# Altium PCB PCB1.PcbDoc (continued)
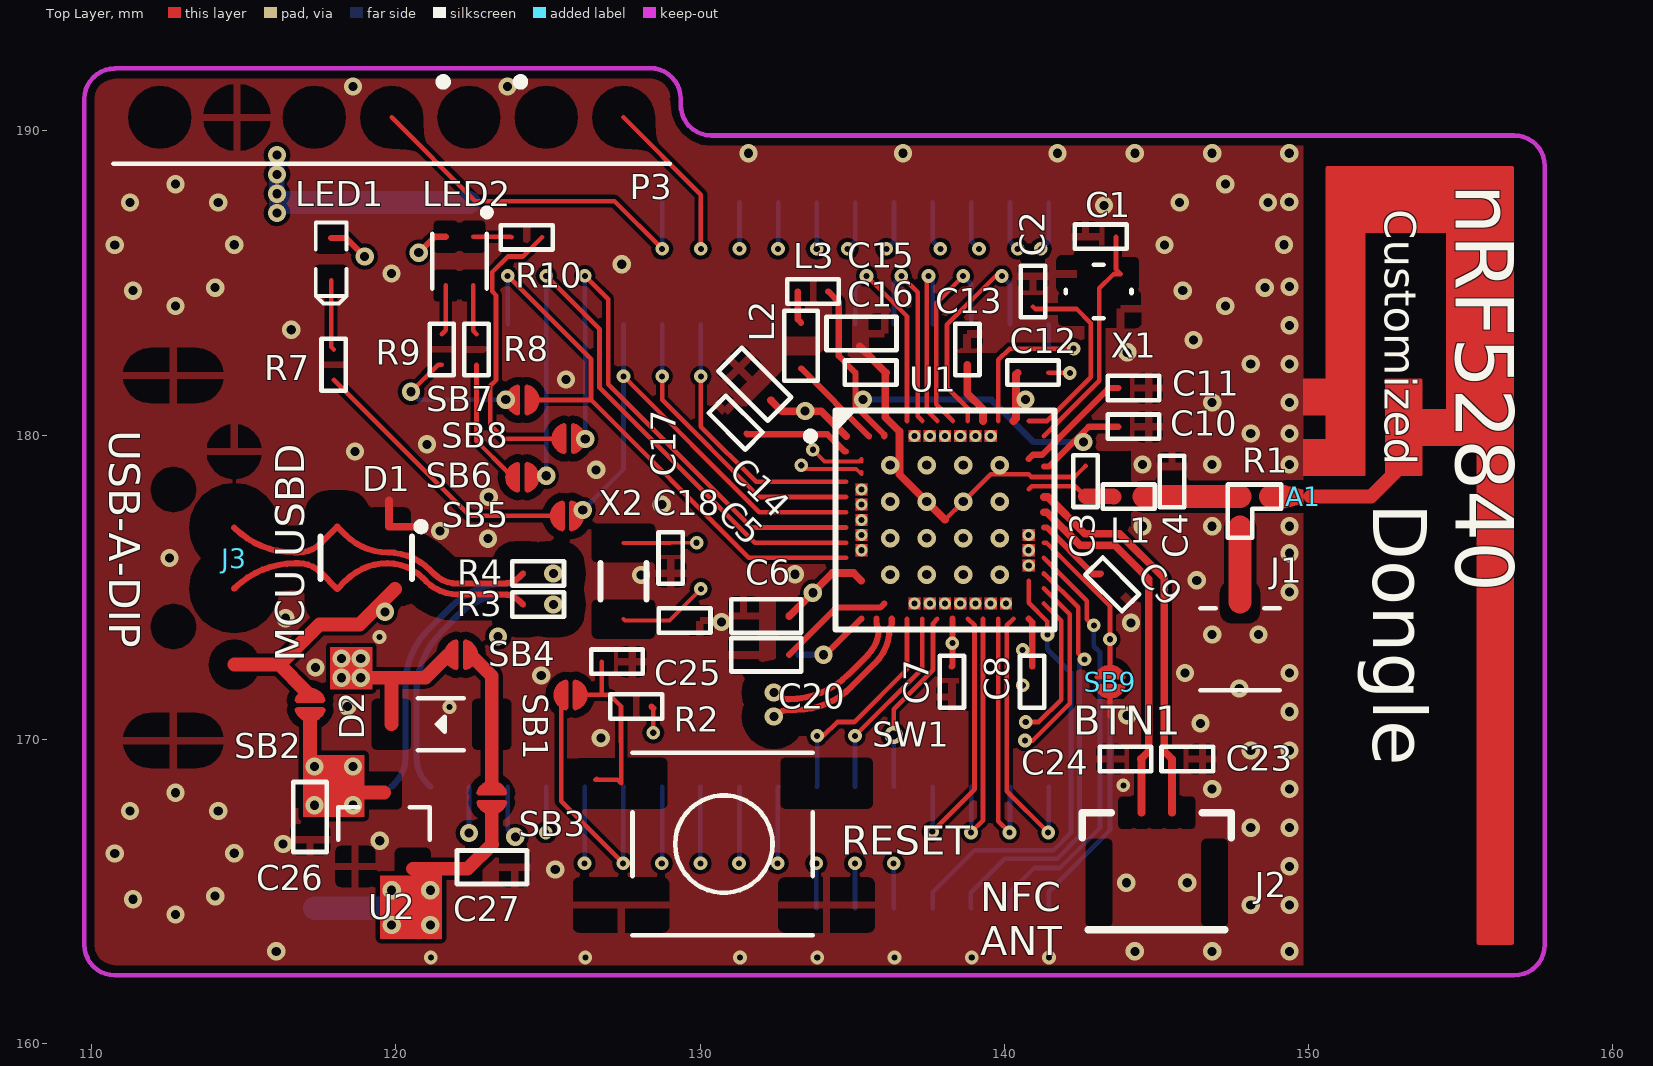
[diagram p0: Top Layer view]
## Part data
A1: "Texas Instrument"
C1 C2 C3 C4 C5 C6 C7 C8 C9 C10 C11 C12 C13 C14 C15 C16 C17 C18 C20 C21 C23 C24 C25 C26 C27: library part Capacitor, "common library", Tolerance=±5%
D1: "Ultra low capacitance double rail-to-rail ESD protection diode", 2nd source part number=152-4157, Manufacturer=NXP, Supplier part number=568-4140-1-ND, 2nd source Supplier=Farnell, Artikkelnr Noca=10069015, Artikkelnr Simpro=N.A., Datasheet=http://www.farnell.com/datasheets/109718.pdf, Footprint Doc=SOT-143B, LatestRevisionDate=2012-06-11, Manufacturer Part Number=PRTR5V0U2X, Part Number=PRTR5V0U2X, Published=2012-06-11, Publisher="Nordic Semiconductor", Supplier=Digi-Key
D2: library part "Diode Schottky", "common library"
J1: library part "IPEX connector", "Hirose", MF=Hirose, MP=U.FL-R-SMT_01_, Note=Ipex
J2: "0.5mm FPC, 5P,Right Angle SMT,Double Contact,H=1.2mm,White, Tin plated", 2nd source part number=WM9836CT-ND, Manufacturer=W-CON, Manufacturer Part Number=5141-05RZDNWR01, Part Number=FPC_05P-0.5mm-RA-SMD, Part number IPS=00000007792, 2nd source Supplier=Digi-Key, Artikkelnr Noca=55010020, Artikkelnr Simpro=N.A., Datasheet=\\hizz\pro\app9717\Datasheet\connectores\W-CON\5141-XXRZDNXX0X.pdf, Footprint Doc=FPC_05P-0.5mm-RA-SMD, LatestRevisionDate=2016-04-21, Pin Count=7, Published=2015-06-22, Publisher="Nordic Semiconductor", Supplier=Cabcon, Supplier part number=5141-05RZDNWR01
L1 L2 L3: library part Inductor, "common library"
LED1: library part LED, "common library", Color=Green
LED2: library part LED_RGB, Supplier=thegioiic, Type=RGB
P1 P2: library part "Header 20x2"
P3: library part "Header 7"
R1: library part Res_Selector, Name="Res Selector"
R2 R3 R4 R5 R6 R7 R8 R9 R10: library part Resistor, "common library", Tolerance=±5%
SW1 X1: "4-pin"
  SW1: Pin Count=4
U1: "Multi-protocol Bluetooth Low Energy, IEEE 802.15.4, ANT and 2.4GHz proprietary system-on-chip", Manufacturer="Nordic Semiconductor", Manufacturer Part Number=nRF52840-QIAAC0, Part number IPS=N.A., Artikkelnr Noca=N.A., Artikkelnr Simpro=N.A., ComponentLink1Description=Datasheet, ComponentLink2Description="Supplier link", Footprint Doc=AQFN-73, LatestRevisionDate=2017-12-06, Part Number=nRF52840-QIAAC0, Pin Count=73, Published=2017-08-21, Publisher="Nordic Semiconductor", Supplier="Nordic Semiconductor", Supplier part number=nRF52840-QIAAC0
U2: library part XC6206, "Low ESR Cap.Compatible Positive Voltage Regulators", Type=XC6206P332MR
X2: "2-pin"
J3: Supplier=https://banlinhkien.vn/goods-938-usb-a-duc-smd-usb-a-s01.html, Using reference=https://hshop.vn/products/mach-chuyen-usb-uart-cp2102
SB1 SB2 SB3 SB4 SB5 SB6 SB7 SB8 SB9: Artikkelnr Noca=N.A., Artikkelnr Simpro=N.A., Footprint Doc=Solderbridge, LatestRevisionDate=2009-12-14, Part Number=Solderbridge, Pin Count=2, Published=2009-12-14, Publisher="Nordic Semiconductor"

## Free pads (board coordinates)
  round 3 on Top Paste: 0(112.691,166.26) 0(112.691,186.26) 0(147.191,186.26) 0(151.691,166.26)
  round 3 on Mech16: 1(112.691,166.26) 1(112.691,186.26) 1(147.191,186.26) 1(151.691,166.26) 2(112.691,166.26) 2(112.691,186.26) 2(147.191,186.26) 2(151.691,166.26)

## Via types
v1: diameter 0.6, hole 0.3, Top Layer to Bottom Layer, tented both sides, 138 vias
v2: diameter 0.45, hole 0.2, Top Layer to Bottom Layer, tented both sides, 64 vias
v3: diameter 0.4, hole 0.2, Top Layer to Bottom Layer, tented bottom, 21 vias
v4: diameter 0.61, hole 0.305, Top Layer to Bottom Layer, tented bottom, 16 vias

## Nets (pads, with @x,y where several pads share a name; then routed paths per layer and width w, separated by ;. In a path a pad name is that pad's centre, name@x,y a point inside that pad or via, vN(x,y) a via of type N, cw(c..) or ccw(c..) an arc to the next point about the centre after c; other vN are vias at no path point)
pads on no net: C21.1 C21.2 P1.1 P1.2 P1.3 P1.4 P1.5 P1.6 P1.7 P1.8 P1.9 P1.10 P1.11 P1.12 P1.13 P1.14 P1.15 P1.16 P1.17 P1.18 P1.19 P1.20 P1.21 P1.22 P1.23 P1.24 P1.25 P1.26 P1.27 P1.28 P1.29 P1.30 P1.31 P1.32 P1.33 P1.34 P1.35 P1.36 P1.37 P1.38 P1.39 P1.40 P2.1 P2.2 P2.3 P2.4 P2.5 P2.6 P2.7 P2.8 P2.9 P2.10 P2.11 P2.12 P2.13 P2.14 P2.15 P2.16 P2.17 P2.18 P2.19 P2.20 P2.21 P2.22 P2.23 P2.24 P2.25 P2.26 P2.27 P2.28 P2.29 P2.30 P2.31 P2.32 P2.33 P2.34 P2.35 P2.36 P2.37 P2.38 P2.39 P2.40 R5.1 R5.2 R6.1 R6.2
copper on no net: | length 964.9
  Top Layer w0.127: 127.486,173.953 127.531,173.908 128.993,173.908 130.026,174.941 v2(130.026,174.949) ; 127.486,176.453 129.023,176.453 129.035,176.465 v2(129.891,176.465) v2@129.899,176.473 ; v2(133.328,179.013) 133.455,178.886 135.134,178.886 135.302,178.718 135.302,178.796 ; v2(133.709,179.521) 134.09,179.14 135.225,179.14 135.302,179.218 135.302,179.14
  Top Layer w0.152: 117.877,185.088 117.877,182.899 117.961,182.815 ; 117.961,181.815 122.43,177.347 125.138,177.347 125.313,177.347 ; 119.866,190.443 122.617,187.692 127.189,187.692 v2(128.756,186.125) ; v1(120.501,181.426) 121.393,182.318 121.512,182.318 ; 121.512,183.318 121.645,183.451 121.645,184.923 ; 122.545,184.923 122.545,183.428 122.655,183.318 ; 122.545,186.523 123.784,186.523 123.806,186.501 ; 122.655,182.318 122.655,179.809 123.698,178.766 123.847,178.617 ; v2(123.676,185.236) 126.419,182.493 126.419,181.157 ; 124.472,178.617 124.521,178.665 124.644,178.665 v1(124.946,178.665) ; 124.472,181.157 124.646,181.157 126.419,181.157 ; 124.806,186.501 124.176,185.871 123.676,185.871 123.168,185.363 123.168,184.728 123.295,184.601 123.295,181.807 123.11,181.623 123.11,180.341 123.565,179.887 125.197,179.887 125.371,179.887 ; v2(124.946,185.236) 126.699,183.484 126.699,181.565 131.795,176.468 134.802,176.468 ; 125.433,171.464 125.433,171.111 125.433,167.967 v2(127.473,165.927) ; 126.058,171.464 126.762,171.464 ; v2(126.216,185.236) 126.978,184.474 126.978,181.68 131.69,176.968 134.802,176.968 ; 126.602,168.713 126.559,168.67 127.3,168.67 127.408,168.562 127.408,169.915 127.405,169.918 127.405,171.083 127.024,171.464 126.762,171.464 ; 126.77,172.556 126.77,171.472 126.762,171.464 ; v2(127.486,181.934) 131.952,177.468 134.802,177.468 ; 127.486,190.443 130.026,187.903 v2(130.026,186.125) ; v2(128.464,170.22) 128.464,171.024 ; v2(128.756,181.934) 128.756,181.158 131.946,177.968 134.802,177.968 ; v2(130.026,181.934) 130.026,180.283 131.841,178.468 134.802,178.468 ; v2(133.848,170.118) 134.052,170.118 134.507,170.573 135.065,170.573 136.802,172.31 136.802,173.968 ; 134.802,175.968 131.608,175.968 126.419,181.157 ; v2(135.093,170.118) 137.302,172.327 137.302,173.968 ; v2(135.474,185.231) 136.802,183.903 136.802,180.468 ; v1(136.363,170.143) 136.363,170.993 137.658,172.288 137.658,173.824 137.802,173.968 ; v2(136.617,185.231) 137.15,184.698 137.15,180.62 137.302,180.468 ; v2(137.506,185.231) 137.455,185.18 137.455,180.815 137.802,180.468 ; v2(137.633,166.968) 139.023,168.358 139.023,173.747 138.802,173.968 ; 138.052,177.218 v4(138.652,177.818) 139.552,178.718 140.802,178.718 140.893,178.627 142.307,178.627 142.668,178.988 ; 138.302,180.468 137.76,181.01 137.76,184.342 v2(138.649,185.231) ; 138.802,180.468 138.802,180.885 138.116,181.572 138.116,183.631 139.716,185.231 v2(139.919,185.231) ; v2(138.903,166.943) 139.302,167.342 139.302,173.968 ; 139.802,173.968 139.802,167.314 v2(140.173,166.943) ; 139.802,180.468 139.802,182.473 140.173,182.843 v2(142.281,182.843) ; 140.302,173.968 140.082,173.747 140.082,168.304 v2(141.443,166.943) ; v2(140.681,169.966) 140.935,169.966 142.151,171.181 142.151,174.12 141.302,174.968 ; v2(140.706,170.575) 141.138,170.575 141.871,171.308 141.871,173.899 141.302,174.468 ; 140.802,175.218 140.802,174.492 141.418,173.877 v2(141.418,173.445) ; 140.802,178.218 140.907,178.322 142.334,178.322 142.668,177.988 ; 140.802,180.468 141.407,180.468 142.84,181.901 142.84,183.685 142.377,184.148 141.018,184.148 140.943,184.223 ; 141.302,175.426 141.302,175.468 142.43,174.34 142.43,172.839 v2@142.561,172.709 ; 141.302,175.968 142.709,174.561 142.709,173.957 v2@142.865,173.801 ; 141.302,176.468 141.388,176.468 143.475,174.381 v2(143.475,173.293) 143.475,172.383 143.475,172.208 ; 141.302,179.968 143.119,181.785 143.119,184.825 143.593,185.298 143.827,185.298 143.67,185.455 143.67,186.526 ; 141.443,182.056 142.143,182.056 v2(142.155,182.044) ; 143.475,170.765 143.475,171.409 143.475,171.584
  Top Layer w0.203: 114.691,174.96 cw(c116.698,172.953) 116.698,175.791 116.805,175.791 cw(c116.805,174.758) 117.535,175.489 118.08,174.944 118.362,175.226 cw(c119.726,173.863) 119.726,175.791 cw(c119.726,174.157) 120.881,175.313 120.996,175.198 ccw(c122.038,176.24) 122.038,174.766 123.526,174.766 cw(c123.526,173.986) 124.077,174.538 124.179,174.436 ; 114.691,176.96 ccw(c116.654,178.923) 116.654,176.147 116.805,176.147 ccw(c116.805,177.18) 117.535,176.449 118.08,176.994 118.362,176.712 ccw(c119.726,178.075) 119.726,176.147 cw(c119.726,174.157) 121.133,175.564 121.247,175.449 ccw(c122.038,176.24) 122.038,175.122 123.526,175.122 ccw(c123.526,175.902) 124.077,175.35 124.179,175.452 ; 117.877,186.485 118.363,186.485 v1(118.977,185.871) ; v1(120.755,185.998) 121.28,186.523 121.645,186.523 ; 128.405,171.083 128.464,171.024 ; 131.523,180.057 131.55,180.029 134.187,180.029 134.749,179.468 134.802,179.468 ; v1(132.426,170.753) 132.453,170.78 cw(c132.909,170.325) 132.909,170.969 133.159,170.969 ccw(c133.159,173.509) 134.956,171.713 135.757,172.514 ccw(c134.614,173.657) 136.23,173.657 ccw(c136.056,173.831) 136.302,173.831 136.302,173.968 ; v1(132.426,171.54) 132.453,171.513 ccw(c132.909,171.968) 132.909,171.325 ccw(c132.909,174.115) 134.881,172.142 135.505,172.766 ccw(c134.614,173.657) 135.875,173.657 cw(c136.049,173.831) 135.802,173.831 135.802,173.968 ; 132.93,172.785 134.479,174.334 135.918,174.334 136.052,174.468 ; 133.212,184.723 133.212,183.806 133.323,183.695 ; 133.323,182.195 133.325,182.195 135.552,179.968 ; v1(134.06,172.785) 134.119,172.785 135.302,173.968 ; 134.212,184.723 134.559,184.376 134.559,183.345 134.559,182.606 135.109,182.056 135.109,180.965 136.052,180.022 136.052,179.968 ; 138.276,172.396 138.302,172.422 138.302,173.968 ; v2(140.605,172.937) 140.918,172.937 ; 140.802,173.968 140.918,173.853 140.918,172.937 ; 140.802,179.218 140.944,179.36 141.247,179.36 143.436,181.548 143.745,181.548 ; 140.918,172.396 140.918,172.937 ; 141.302,176.968 141.396,176.968 142.914,175.45 ; 141.302,178.968 141.461,178.968 142.771,180.278 143.745,180.278 ; 142.914,175.45 142.939,175.425 143.147,175.425 143.172,175.45 142.914,175.45
  Top Layer w0.254: 119.78,177.855 119.78,176.994 120.697,176.994 ; 132.329,181.145 132.688,180.786 133.984,180.786 134.802,179.968 ; 132.93,174.055 134.343,175.468 134.802,175.468 135.052,175.468 135.302,175.218 ; 135.246,182.919 136.109,182.056 136.092,182.039 136.092,180.589 136.552,180.128 136.552,179.968 136.552,178.718 138.052,177.218 ; 138.784,182.318 138.784,181.37 139.302,180.852 139.302,180.468 ; 140.302,180.468 140.385,180.551 140.385,181.998 140.443,182.056 ; 141.302,177.468 141.399,177.468 142.487,176.38 143.63,176.38 144.745,175.265 144.745,169.618 144.483,169.356 144.512,169.327 144.512,167.592 ; 141.302,177.968 141.438,177.968 142.645,176.761 143.788,176.761 145.253,175.296 145.253,169.618 145.515,169.356 145.515,167.595 145.512,167.592
  Top Layer w0.457: 114.691,172.46 116.172,172.46 ; 117.186,170.822 117.186,168.201 117.236,168.251 119.612,168.251 ; 117.186,171.446 117.037,171.595 116.172,172.46 ; v1@118.85,171.896 v1(118.85,172.028) 119.855,172.028 ; 119.853,170.501 119.855,170.499 119.855,172.028 ; 119.98,174.944 118.813,173.777 117.489,173.777 116.172,172.46 ; 120.562,165.751 122.364,165.751 122.413,165.8 123.163,166.55 123.155,166.558 123.155,167.774 ; 121.827,172.785 121.733,172.785 121.658,172.71 120.977,172.028 119.855,172.028 ; 122.451,172.785 122.6,172.636 123.155,172.081 123.155,170.499 123.155,168.573 123.155,168.492
  Top Layer w0.508: 142.668,177.988 143.583,177.988 143.591,177.98
  Top Layer w0.762: 144.591,177.98 145.513,177.98 147.748,177.98 ; 147.748,174.513 147.748,176.98 ; 148.748,177.98 149.173,177.98
  Mid-Layer 1 w0.152: 122.406,190.443 122.406,168.324 v1(123.93,166.8) ; v2(124.933,166.943) 126.824,166.943 127.967,168.086 135.626,168.086 137.052,169.512 v3(137.052,174.468) ; v2(126.203,165.927) 128.083,167.807 135.759,167.807 137.552,169.6 v3(137.552,174.468) ; v2(127.473,165.927) 129.073,167.527 135.875,167.527 138.052,169.705 138.052,172.455 137.832,172.675 137.832,173.53 138.052,173.75 v3(138.052,174.468) ; v2(128.743,165.927) 130.064,167.248 135.99,167.248 138.552,169.81 138.552,172.429 138.773,172.65 138.773,173.55 138.552,173.771 v3(138.552,174.468) ; v2(128.756,186.125) 129.518,185.363 129.518,179.648 132.948,176.218 v3(135.302,176.218) ; v2(130.013,165.927) 131.054,166.968 136.106,166.968 139.052,169.915 v3(139.052,174.468) ; v2(130.026,186.125) 130.788,185.363 130.788,178.886 132.956,176.718 v3(135.302,176.718) ; v2(131.283,165.927) 132.02,166.664 136.196,166.664 139.552,170.019 v3(139.552,174.468) ; v2(131.296,186.125) 131.296,178.886 132.964,177.218 v3(135.302,177.218) ; v2(132.553,165.927) 133.01,166.384 136.312,166.384 140.052,170.124 v3(140.052,174.468) ; v2(132.566,186.125) 132.566,179.013 133.861,177.718 v3(135.302,177.718) ; v2(133.836,186.125) 133.836,181.553 135.302,180.087 v3(135.302,178.218) ; v2(134.852,186.125) 134.852,183.077 137.052,180.877 v3(137.052,179.968) ; v2(136.122,186.125) 136.122,182.569 137.552,181.139 v3(137.552,179.968) ; v2(137.9,186.125) 138.027,185.998 138.027,179.993 v3(138.052,179.968) ; v3(138.552,179.968) 138.552,182.46 139.17,183.077 v2(139.17,186.125) ; v3(139.052,179.968) 139.052,182.528 140.44,183.916 v2(140.44,186.125) ; v3(139.552,179.968) 139.552,182.557 141.202,184.206 v2(141.202,186.125)
  Mid-Layer 1 w0.203: v1(123.359,173.382) 123.956,172.785 v1(134.06,172.785)
  Mid-Layer 2 w0.127: v2(129.891,176.465) 132.947,179.521 v2(133.709,179.521) ; v2(130.026,174.949) 130.026,175.711 v2(133.328,179.013)
  Mid-Layer 2 w0.152: v1(123.93,166.8) 124.692,167.562 133.742,167.562 135.525,169.345 139.225,169.345 140.456,170.575 v2(140.706,170.575) ; 124.946,190.443 124.946,188.887 124.184,188.125 124.184,168.705 v1(122.406,166.927) 123.168,166.165 124.946,166.165 126.064,167.282 133.858,167.282 135.641,169.065 139.341,169.065 140.241,169.966 v2(140.681,169.966) ; v2(133.823,165.927) 136.287,168.391 139.995,168.391 141.265,169.661 141.265,172.912 140.803,173.375 v3(140.803,175.718) ; v2(135.093,165.927) 137.277,168.111 140.111,168.111 141.849,169.85 141.849,175.39 141.021,176.218 v3(140.802,176.218) ; v2(136.363,165.927) 136.363,166.511 137.684,167.832 140.227,167.832 142.129,169.734 142.129,175.653 141.063,176.718 v3(140.802,176.718)
  Mid-Layer 2 w0.203: v1(119.651,174.195) 120.463,173.382 v1(123.359,173.382) ; v1(125.179,174.436) 125.288,174.545 cw(c125.822,174.011) 125.822,174.766 cw(c125.822,173.405) 126.784,174.368 129.335,171.817 ccw(c131.383,173.865) 131.383,170.969 131.905,170.969 cw(c131.905,170.232) v1(132.426,170.753) ; v1(125.179,175.452) 125.288,175.343 ccw(c125.822,175.877) 125.822,175.122 cw(c125.822,173.405) 127.036,174.619 129.587,172.068 ccw(c131.383,173.865) 131.383,171.325 131.905,171.325 ccw(c131.905,172.062) v1(132.426,171.54)
  Bottom Layer w0.152: v1(120.501,181.426) 120.759,181.168 v1(123.613,181.168) ; v1(122.406,166.927) 122.406,168.451 ; 123.676,168.451 123.676,167.054 v1(123.93,166.8) ; 123.676,183.649 v2(123.676,185.236) ; v2(124.933,166.943) 124.946,166.956 124.946,168.451 ; v1(124.946,178.665) 124.946,183.649 v2(124.946,185.236) ; v1(126.146,177.54) 127.486,178.88 v2(127.486,181.934) 127.486,183.649 ; v2(126.203,165.927) 126.216,165.94 126.216,168.451 ; v2(126.216,185.236) 126.216,183.649 126.23,183.636 v1(126.23,179.875) ; v2(127.473,165.927) 127.473,168.437 127.486,168.451 ; v2(128.743,165.927) 128.756,165.94 128.756,168.451 ; v2(128.756,181.934) 128.756,183.649 ; v2(128.756,186.125) 128.756,187.649 ; v2(130.013,165.927) 130.013,168.437 130.026,168.451 ; v2(130.026,181.934) 130.026,183.649 ; v2(130.026,186.125) 130.026,187.649 ; v2(131.283,165.927) 131.296,165.94 131.296,168.451 ; v2(131.296,186.125) 131.296,187.649 ; v2(132.553,165.927) 132.553,168.437 132.566,168.451 ; v2(132.566,186.125) 132.566,187.649 ; v2(133.823,165.927) 133.823,164.464 133.836,164.451 ; 133.836,168.451 133.848,168.463 v2(133.848,170.118) ; v2(133.836,186.125) 133.836,187.649 ; v2(134.852,186.125) 135.106,186.379 135.106,187.649 ; v2(135.093,165.927) 135.093,164.464 135.106,164.451 ; v2(135.093,170.118) 135.093,168.464 135.106,168.451 ; 135.106,183.649 135.106,184.863 v2(135.474,185.231) ; v2(136.122,186.125) 136.376,186.379 136.376,187.649 ; v2(136.363,165.927) 136.363,164.464 136.376,164.451 ; v1(136.363,170.143) 136.363,168.464 136.376,168.451 ; 136.376,183.649 136.376,184.99 v2(136.617,185.231) ; v2(137.506,185.231) 137.646,185.091 137.646,183.649 ; v2(137.633,166.968) 137.646,166.981 137.646,168.451 ; 137.646,164.451 137.646,164.975 139.03,166.359 141.618,166.359 142.191,166.932 142.191,172.189 141.418,172.963 v2(141.418,173.445) ; 137.646,187.649 137.646,186.379 v2(137.9,186.125) ; v2(138.649,185.231) 138.916,184.964 138.916,183.649 ; v2(138.903,166.943) 138.916,166.956 138.916,168.451 ; 138.916,164.451 138.903,164.464 138.903,164.962 140.021,166.079 141.734,166.079 142.47,166.816 142.47,172.633 v2(142.637,172.633) ; 138.916,187.649 138.916,186.379 v2(139.17,186.125) ; v2(139.919,185.231) 140.186,184.964 140.186,183.649 ; v2(140.173,166.943) 140.186,166.956 140.186,168.451 ; 140.186,164.451 140.186,164.975 140.986,165.775 141.824,165.775 143.145,167.095 143.145,172.861 142.942,173.064 v2(142.942,173.75) ; 140.186,187.649 140.186,186.379 v2(140.44,186.125) ; v2(141.202,186.125) 141.456,186.379 141.456,187.649 ; v2(141.443,166.943) 141.456,166.956 141.456,168.451 ; 141.456,164.451 141.456,165 143.475,167.019 v2(143.475,173.293) ; 141.456,183.649 141.456,182.932 141.545,182.843 v2(142.281,182.843)
  Bottom Layer w0.203: 119.866,168.451 119.968,168.552 ccw(c119.109,169.411) 120.323,169.411 120.323,171.809 cw(c122.863,171.809) 121.067,173.606 121.839,174.378 cw(c123.636,172.582) 123.636,175.122 123.676,175.122 ccw(c123.676,175.539) 123.971,175.244 124.179,175.452 ; 121.136,168.451 121.034,168.552 cw(c121.893,169.411) 120.679,169.411 120.679,171.515 cw(c123.574,171.515) 121.527,173.562 122.062,174.098 cw(c123.676,172.484) 123.676,174.766 cw(c123.676,174.349) 123.971,174.644 124.179,174.436 ; 133.235,172.785 v1(134.06,172.785) ; v1(135.36,181.172) 139.576,181.172 140.973,179.775 v1(142.599,179.775)
  Bottom Layer w0.762: 116.222,187.649 117.326,187.649 118.596,187.649 119.866,187.649 121.136,187.649 122.406,187.649 ; 117.326,164.451 118.596,164.451 119.866,164.451 121.136,164.451
  other v1: 116.072,163.037 144.291,163.037 146.831,163.037 149.371,163.037 119.866,163.9 121.136,163.9 112.764,164.249 148.101,164.561 149.371,164.561 111.364,164.749 114.064,164.849 119.866,165.043 121.136,165.043 144.012,165.292 146.012,165.292 125.241,165.729 149.371,165.831 110.764,166.249 114.692,166.26 116.3,166.567 119.475,166.669 148.101,167.101 149.371,167.101 111.264,167.649 114.164,167.649 117.326,167.837 118.596,167.837 112.764,168.249 146.831,168.371 149.371,168.371 117.326,169.107 118.596,169.107 148.101,169.641 149.371,169.641 126.74,170.047 146.45,170.53 144.037,170.784 149.371,170.911 118.409,171.089 147.72,171.673 118.215,172.028 124.784,172.105 145.942,172.181 149.371,172.181 117.364,172.365 118.215,172.663 118.85,172.663 146.831,173.451 148.355,173.451 144.164,173.832 130.702,173.857 116.377,173.984 133.709,174.822 149.371,174.848 146.323,175.229 128.061,175.407 133.119,175.428 112.567,175.965 149.371,176.118 123.031,176.6 121.457,176.854 144.545,177.007 146.831,177.007 149.371,177.007 128.746,177.718 123.057,177.972 126.587,178.861 144.545,179.039 146.831,179.039 149.371,179.039 118.664,179.465 121.025,179.699 148.101,180.055 149.371,180.055 133.455,180.791 146.831,181.071 149.371,181.071 140.694,181.172 125.597,181.833 148.101,182.341 149.371,182.341 144.037,182.722 146.222,183.128 116.564,183.465 149.371,183.611 112.764,184.249 147.264,184.249 111.364,184.749 145.864,184.749 114.064,184.849 148.564,184.849 149.371,184.881 119.856,185.313 127.426,185.617 110.764,186.249 114.692,186.26 145.264,186.249 149.192,186.26 116.095,187.301 143.275,187.548 111.264,187.649 114.164,187.649 145.764,187.649 148.664,187.649 149.364,187.665 116.095,187.936 112.764,188.249 147.264,188.249 116.095,188.571 116.095,189.206 131.591,189.265 136.671,189.265 141.751,189.265 144.291,189.265 146.831,189.265 149.364,189.265 118.596,191.459 123.676,191.459
  other v2: 121.152,162.834 126.232,162.834 131.312,162.834 133.852,162.834 136.392,162.834 138.932,162.834 141.472,162.834 143.912,168.492 121.764,171.065 140.606,171.782 138.293,173.166 119.464,173.365
  other v4: 136.252,175.418 137.452,175.418 138.652,175.418 139.852,175.418 136.252,176.618 137.452,176.618 138.652,176.618 139.852,176.618 136.252,177.818 137.452,177.818 139.852,177.818 136.252,179.018 137.452,179.018 138.652,179.018 139.852,179.018

## Polygon pours and split planes (outlines as drawn)
no net on Mid-Layer 2 "Mid Layer 2-VDD" (solid, remove dead copper, pour order 24): 107.331,193.755 159.831,193.755 159.831,158.755 107.331,158.755
no net on Mid-Layer 1 "Mid Layer 1-GND" (solid, remove dead copper, pour order 26): 107.331,193.755 159.831,193.755 159.831,158.755 107.331,158.755
no net on Bottom Layer "Bottom Layer-GND" (solid, remove dead copper, pour order 28): 104.629,158.226 159.629,158.226 159.629,193.226 104.629,193.226
no net on Top Layer "Top Layer-GND" (solid, remove dead copper, pour order 30): 107.668,157.988 162.668,157.988 162.668,192.988 107.668,192.988

## Keep-outs
Keep-Out Layer:
  lines w0.152: 129.364,190.865 ccw(c130.372,190.857) 130.364,189.849 156.764,189.849 cw(c156.764,188.849) 157.764,188.849 157.764,163.249 cw(c156.764,163.249) 156.764,162.249 110.764,162.249 cw(c110.764,163.249) 109.764,163.249 109.764,191.049 cw(c110.764,191.049) 110.764,192.049 128.364,192.065 cw(c128.357,191.057) 129.364,191.049 ; 129.364,190.865 ccw(c129.364,190.865) 129.364,190.865 ; 129.364,190.865 129.364,191.049 ; 129.364,191.049 ccw(c129.364,191.049) 129.364,191.049

## Other copper
Top Layer:
  rectangle: 119.485,163.443 121.517,165.526
  rectangle: 116.945,167.456 118.977,169.488
  rectangle: 117.834,171.647 119.231,173.044
  rectangle: 135.102,178.018 135.502,178.418
  rectangle: 135.102,177.518 135.502,177.918
  rectangle: 135.102,177.018 135.502,177.418
  rectangle: 135.102,176.518 135.502,176.918
  rectangle: 135.102,176.018 135.502,176.418
  rectangle: 136.852,174.268 137.252,174.668
  rectangle: 137.352,174.268 137.752,174.668
  rectangle: 137.852,174.268 138.252,174.668
  rectangle: 138.352,174.268 138.752,174.668
  rectangle: 138.852,174.268 139.252,174.668
  rectangle: 139.352,174.268 139.752,174.668
  rectangle: 139.852,174.268 140.252,174.668
  rectangle: 140.603,175.518 141.003,175.918
  rectangle: 140.602,176.018 141.002,176.418
  rectangle: 140.602,176.518 141.002,176.918
  rectangle: 136.852,179.768 137.252,180.168
  rectangle: 137.352,179.768 137.752,180.168
  rectangle: 137.852,179.768 138.252,180.168
  rectangle: 138.352,179.768 138.752,180.168
  rectangle: 138.852,179.768 139.252,180.168
  rectangle: 139.352,179.768 139.752,180.168
  pour cut-out: 143.044,171.325 143.908,171.325 144.152,171.569 144.152,172.315 142.79,172.315 142.79,171.579
  region: 149.198,178.361 149.831,178.209 149.831,177.751 149.198,177.599
  pour cut-out: 144.168,176.988 144.168,179.488 140.168,179.488 140.168,176.988
  pour cut-out: 149.831,192.255 159.831,192.255 159.831,161.255 149.831,161.255
  pour cut-out: 143.666,186.235 143.67,186.231 143.67,185.935 142.816,185.935 142.816,186.235
  pour cut-out: 130.541,180.615 131.584,179.571 131.019,179.006 129.976,180.05
  pour cut-out: 131.069,180.503 133.198,182.632 133.877,182.632 134.127,182.882 134.129,181.007
  pour cut-out: 135.359,182.493 135.722,182.856 136.44,182.856
  pour cut-out: 138.662,182.704 140.263,182.704 140.263,182.193 140.127,182.058 138.75,182.058 138.662,182.145
  pour cut-out: 138.497,172.265 138.497,171.63 138.955,171.63 138.955,172.265
  pour cut-out: 129.023,173.484 129.023,173.814 129.734,173.814 129.734,173.484
  pour cut-out: 126.562,169.387 125.433,169.387 125.433,168.32 126.562,168.32
  pour cut-out: 147.748,178.524 150.01,178.524 150.01,177.436 147.749,177.436
Mid-Layer 1:
  rectangle: 135.102,178.018 135.502,178.418
  rectangle: 135.102,177.518 135.502,177.918
  rectangle: 135.102,177.018 135.502,177.418
  rectangle: 135.102,176.518 135.502,176.918
  rectangle: 135.102,176.018 135.502,176.418
  rectangle: 136.852,174.268 137.252,174.668
  rectangle: 137.352,174.268 137.752,174.668
  rectangle: 137.852,174.268 138.252,174.668
  rectangle: 138.352,174.268 138.752,174.668
  rectangle: 138.852,174.268 139.252,174.668
  rectangle: 139.352,174.268 139.752,174.668
  rectangle: 139.852,174.268 140.252,174.668
  rectangle: 140.603,175.518 141.003,175.918
  rectangle: 140.602,176.018 141.002,176.418
  rectangle: 140.602,176.518 141.002,176.918
  rectangle: 139.352,179.768 139.752,180.168
  rectangle: 138.852,179.768 139.252,180.168
  rectangle: 138.352,179.768 138.752,180.168
  rectangle: 137.852,179.768 138.252,180.168
  rectangle: 137.352,179.768 137.752,180.168
  rectangle: 136.852,179.768 137.252,180.168
  pour cut-out: 142.668,174.347 151.668,174.347 151.668,181.637 142.668,181.637
  pour cut-out: 149.831,192.255 159.831,192.255 159.831,161.255 149.831,161.255
Mid-Layer 2:
  rectangle: 135.102,178.018 135.502,178.418
  rectangle: 135.102,177.518 135.502,177.918
  rectangle: 135.102,177.018 135.502,177.418
  rectangle: 135.102,176.518 135.502,176.918
  rectangle: 135.102,176.018 135.502,176.418
  rectangle: 136.852,174.268 137.252,174.668
  rectangle: 137.352,174.268 137.752,174.668
  rectangle: 137.852,174.268 138.252,174.668
  rectangle: 138.352,174.268 138.752,174.668
  rectangle: 138.852,174.268 139.252,174.668
  rectangle: 139.352,174.268 139.752,174.668
  rectangle: 139.852,174.268 140.252,174.668
  rectangle: 140.603,175.518 141.003,175.918
  rectangle: 140.602,176.018 141.002,176.418
  rectangle: 140.602,176.518 141.002,176.918
  rectangle: 139.352,179.768 139.752,180.168
  rectangle: 138.852,179.768 139.252,180.168
  rectangle: 138.352,179.768 138.752,180.168
  rectangle: 137.852,179.768 138.252,180.168
  rectangle: 137.352,179.768 137.752,180.168
  rectangle: 136.852,179.768 137.252,180.168
  pour cut-out: 142.668,174.347 151.668,174.347 151.668,181.637 142.668,181.637
  pour cut-out: 149.831,192.255 159.831,192.255 159.831,161.255 149.831,161.255
Bottom Layer:
  rectangle: 115.841,187.301 116.349,189.206
  rectangle: 135.102,178.018 135.502,178.418
  rectangle: 135.102,177.518 135.502,177.918
  rectangle: 135.102,177.018 135.502,177.418
  rectangle: 135.102,176.518 135.502,176.918
  rectangle: 135.102,176.018 135.502,176.418
  rectangle: 136.852,174.268 137.252,174.668
  rectangle: 137.352,174.268 137.752,174.668
  rectangle: 137.852,174.268 138.252,174.668
  rectangle: 138.352,174.268 138.752,174.668
  rectangle: 138.852,174.268 139.252,174.668
  rectangle: 139.352,174.268 139.752,174.668
  rectangle: 139.852,174.268 140.252,174.668
  rectangle: 140.603,175.518 141.003,175.918
  rectangle: 140.602,176.018 141.002,176.418
  rectangle: 140.602,176.518 141.002,176.918
  rectangle: 139.352,179.768 139.752,180.168
  rectangle: 138.852,179.768 139.252,180.168
  rectangle: 138.352,179.768 138.752,180.168
  rectangle: 137.852,179.768 138.252,180.168
  rectangle: 137.352,179.768 137.752,180.168
  rectangle: 136.852,179.768 137.252,180.168
  pour cut-out: 149.831,192.255 159.831,192.255 159.831,161.255 149.831,161.255

## Silkscreen, mask and mechanical layers (free items; w line width, h text height)
Top Overlay:
  circle w0.254: c121.558,191.612 r0.127
  circle w0.254: c124.098,191.612 r0.127
  text "nRF52840" at 154.199,188.26 h3.3 r270
  text "Customized" at 152.165,187.421 h1.78 r270
  text "Dongle" at 151.53,177.769 h3.05 r270
  text "MCU USBD" at 116.986,172.562 h0.97 r90
  text "BTN1" at 142.259,170.149 h0.97
  text "RESET" at 134.639,166.212 h0.97
  text "NFC / ANT" at 139.211,162.91 h0.97
Bottom Overlay:
  drawing of 56 lines, arcs and shapes, not listed
  text "1" at 111.167,188.546 h0.81
  text "nRF52840" at 148.191,179.26 h3.81
  text "Customized" at 147.191,177.26 h1.78
  text "Dongle" at 139.691,174.26 h3.81
  text "5" at 151.779,174.239 h5.08 r270
  text "\"Easier for IoT development\"" at 136.567,170.004 h1.78
  text "021218" at 115.191,162.76 h1.27
Top Paste:
  lines w0.762: 98.112,164.042 98.112,150.292 115.612,150.292 ; 98.112,171.542 98.112,184.042 ; 98.112,191.542 98.112,205.292 115.612,205.292 ; 129.987,150.292 148.737,150.292 ; 129.987,205.292 148.737,205.292 ; 160.612,150.292 173.112,150.292 173.112,164.042 ; 160.612,205.292 173.112,205.292 173.112,191.542 ; 173.112,171.542 173.112,184.042

## Text inside footprints (layer, text, board x,y; h text height)
J3: Top Overlay "USB-A-DIP" at 110.591,180.16 h1.02 r270
P1: Bottom Overlay "1" at 115.548,169.213 h0.89 r180; Bottom Overlay "2" at 115.548,164.641 h0.89 r180; Bottom Overlay "39" at 142.472,169.213 h0.89 r180; Bottom Overlay "40" at 142.472,164.641 h0.89 r180
P2: Bottom Overlay "1" at 115.548,188.411 h0.89 r180; Bottom Overlay "2" at 115.548,183.839 h0.89 r180; Bottom Overlay "39" at 142.472,188.411 h0.89 r180; Bottom Overlay "40" at 142.472,183.839 h0.89 r180